# Altium PCB STM32F405.PcbDoc (part 4 of 5)
Units mm, origin at the board's own origin, x right, y up, seen from the top; angles counter-clockwise.
Board outline 430.02 x 145.03 mm, 2 copper layers (Top Layer, Bottom Layer); 243 components, 243 nets, 1346 pads, 2611 vias.
Unrouted connection lines stored in the file: 128.
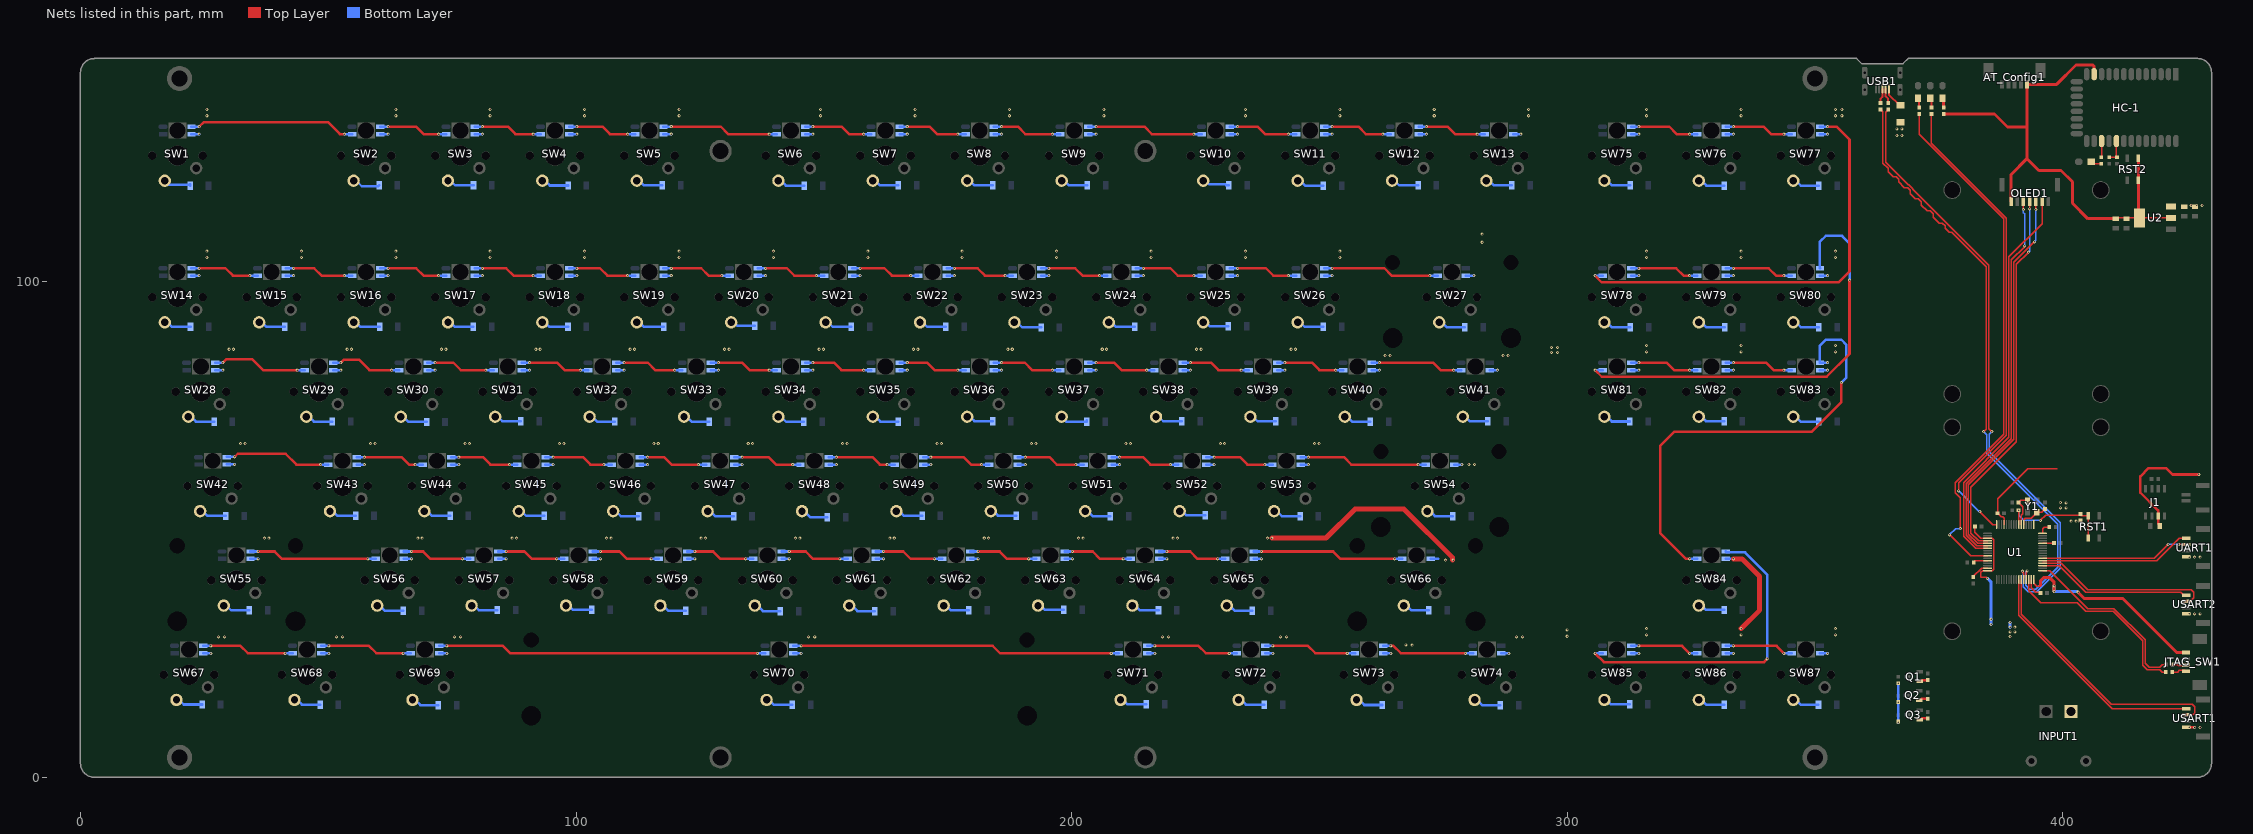
[diagram p4: the nets of this part, all layers, seen from the top]

## Via types
v1: diameter 0.61, hole 0.305, Top Layer to Bottom Layer, tented both sides, 2611 vias

## Nets (pads, with @x,y where several pads share a name; then routed paths per layer and width w, separated by ;. In a path a pad name is that pad's centre, name@x,y a point inside that pad or via, vN(x,y) a via of type N, cw(c..) or ccw(c..) an arc to the next point about the centre after c; other vN are vias at no path point) (continued)
L_VCC: C9.2 C10.2 C13.1 F1.2 INPUT1.2 J1.3 R9.1 R12.1 R19.1 SW1.3 SW2.3 SW3.3 SW4.3 SW5.3 SW6.3 SW7.3 SW8.3 SW9.3 SW10.3 SW11.3 SW12.3 SW13.3 SW14.3 SW15.3 SW16.3 SW17.3 SW18.3 SW19.3 SW20.3 SW21.3 SW22.3 SW23.3 SW24.3 SW25.3 SW26.3 SW27.3 SW28.3 SW29.3 SW30.3 SW31.3 SW32.3 SW33.3 SW34.3 SW35.3 SW36.3 SW37.3 SW38.3 SW39.3 SW40.3 SW41.3 SW42.3 SW43.3 SW44.3 SW45.3 SW46.3 SW47.3 SW48.3 SW49.3 SW50.3 SW51.3 SW52.3 SW53.3 SW54.3 SW55.3 SW56.3 SW57.3 SW58.3 SW59.3 SW60.3 SW61.3 SW62.3 SW63.3 SW64.3 SW65.3 SW66.3 SW67.3 SW68.3 SW69.3 SW70.3 SW71.3 SW72.3 SW73.3 SW74.3 SW75.3 SW76.3 SW77.3 SW78.3 SW79.3 SW80.3 SW81.3 SW82.3 SW83.3 SW84.3 SW85.3 SW86.3 SW87.3 U2.3 UART1.1 USART1.1 USART2.1 | length 232.3
  Top Layer w0.508: C13.1@419.542,50.825 419.542,50.864 419.255,51.15 J1.3@419.255,52.717 419.255,53.82 415.671,57.404 415.671,60.706 417.322,62.357 420.878,62.357 422.148,61.087 v1(427.482,61.087) ; USART1.1@424.931,10.073 v1(425.53,10.073) v1@426.633,10.073
  Top Layer w1.016: v1(240.411,48.26) 251.333,48.26 257.175,54.102 267.081,54.102 276.885,44.298 v1@276.885,43.815 ; v1(333.522,44.049) 335.3,44.049 338.836,40.513 338.836,33.718 v1(335.09,29.972)
  Bottom Layer w0.508: SW14.3@22.399,101.199 v1(23.959,101.199) ; SW1.3@22.399,129.775 v1(23.959,129.775) ; SW67.3@24.759,25.013 v1(26.319,25.013) ; SW28.3@27.162,82.149 v1(28.722,82.149) ; SW42.3@29.522,63.128 v1(31.082,63.128) ; SW55.3@34.305,44.049 v1(35.866,44.049) ; SW15.3@41.449,101.199 v1(43.009,101.199) ; SW68.3@48.571,25.013 v1(50.132,25.013) ; SW29.3@50.974,82.149 v1(52.534,82.149) ; SW43.3@55.737,63.099 v1(57.297,63.099) ; SW16.3@60.499,101.199 v1(62.059,101.199) ; SW2.3@60.499,129.775 v1(62.059,129.775) ; SW56.3@65.262,44.049 v1(66.822,44.049) ; SW30.3@70.024,82.149 v1(71.584,82.149) ; SW69.3@72.384,25.013 v1(73.944,25.013) ; SW44.3@74.787,63.099 v1(76.347,63.099) ; SW17.3@79.549,101.199 v1(81.109,101.199) ; SW3.3@79.549,129.775 v1(81.109,129.775) ; SW57.3@84.312,44.049 v1(85.872,44.049) ; SW31.3@89.074,82.149 v1(90.634,82.149) ; SW45.3@93.837,63.099 v1(95.397,63.099) ; SW18.3@98.599,101.199 v1(100.159,101.199) ; SW4.3@98.599,129.775 v1(100.159,129.775) ; SW58.3@103.362,44.049 v1(104.922,44.049) ; SW32.3@108.124,82.149 v1(109.684,82.149) ; SW46.3@112.887,63.099 v1(114.447,63.099) ; SW19.3@117.649,101.199 v1(119.209,101.199) ; SW5.3@117.649,129.775 v1(119.209,129.775) ; SW59.3@122.412,44.049 v1(123.972,44.049) ; SW33.3@127.174,82.149 v1(128.734,82.149) ; SW47.3@131.937,63.099 v1(133.497,63.099) ; SW20.3@136.699,101.199 v1(138.259,101.199) ; SW60.3@141.462,44.049 v1(143.022,44.049) ; SW70.3@143.843,24.999 v1(145.403,24.999) ; SW34.3@146.224,82.149 v1(147.784,82.149) ; SW6.3@146.224,129.775 v1(147.784,129.775) ; SW48.3@150.987,63.099 v1(152.547,63.099) ; SW21.3@155.749,101.199 v1(157.309,101.199) ; SW61.3@160.512,44.049 v1(162.072,44.049) ; SW35.3@165.274,82.149 v1(166.834,82.149) ; SW7.3@165.274,129.775 v1(166.834,129.775) ; SW49.3@170.037,63.099 v1(171.597,63.099) ; SW22.3@174.799,101.199 v1(176.359,101.199) ; SW62.3@179.562,44.049 v1(181.122,44.049) ; SW36.3@184.324,82.149 v1(185.884,82.149) ; SW8.3@184.324,129.775 v1(185.884,129.775) ; SW50.3@189.087,63.099 v1(190.647,63.099) ; SW23.3@193.849,101.199 v1(195.409,101.199) ; SW63.3@198.612,44.049 v1(200.172,44.049) ; SW37.3@203.374,82.149 v1(204.934,82.149) ; SW9.3@203.374,129.775 v1(204.934,129.775) ; SW51.3@208.137,63.099 v1(209.697,63.099) ; SW24.3@212.899,101.199 v1(214.459,101.199) ; SW71.3@215.259,25.013 v1(216.819,25.013) ; SW64.3@217.662,44.049 v1(219.222,44.049) ; SW38.3@222.424,82.149 v1(223.984,82.149) ; SW52.3@227.187,63.099 v1(228.747,63.099) ; SW25.3@231.949,101.199 v1(233.509,101.199) ; SW10.3@231.949,129.775 v1(233.509,129.775) ; SW65.3@236.712,44.049 v1(238.272,44.049) ; SW72.3@239.072,25.013 v1(240.632,25.013) ; SW39.3@241.474,82.149 v1(243.034,82.149) ; SW53.3@246.237,63.099 v1(247.797,63.099) ; SW26.3@250.999,101.199 v1(252.559,101.199) ; SW11.3@250.999,129.775 v1(252.559,129.775) ; SW40.3@260.524,82.149 v1(262.084,82.149) ; SW73.3@262.884,25.013 v1(264.444,25.013) ; SW12.3@270.049,129.775 v1(271.609,129.775) ; SW66.3@272.43,44.049 273.99,44.049 ; SW54.3@277.193,63.099 v1(278.753,63.099) ; SW27.3@279.533,101.211 279.541,101.219 v1(281.178,101.219) ; SW41.3@284.337,82.149 v1(285.897,82.149) ; SW74.3@286.697,25.013 v1(288.257,25.013) ; SW13.3@289.099,129.775 v1(290.659,129.775) ; SW85.3@312.912,24.999 v1(314.472,24.999) ; SW81.3@312.912,82.149 v1(314.472,82.149) ; SW78.3@312.912,101.199 v1(314.472,101.199) ; SW75.3@312.912,129.775 v1(314.472,129.775) ; SW86.3@331.962,24.999 v1(333.522,24.999) ; SW84.3@331.962,44.049 v1(333.522,44.049) ; SW82.3@331.962,82.149 v1(333.522,82.149) ; SW79.3@331.962,101.199 v1(333.522,101.199) ; SW76.3@331.962,129.775 v1(333.522,129.775) ; SW87.3@351.012,24.999 v1(352.572,24.999) ; SW83.3@351.012,82.149 v1(352.572,82.149) ; SW80.3@351.012,101.199 v1(352.572,101.199) ; SW77.3@351.012,129.775 v1(352.572,129.775) ; v1(366.788,11.074) v1(366.788,18.971)
  other v1: 426.633,10.033 427.736,10.033 366.788,15.161 268.732,26.67 267.433,26.683 27.813,28.321 29.083,28.321 51.625,28.321 52.895,28.321 75.438,28.321 76.708,28.321 146.897,28.307 148.167,28.307 218.313,28.321 219.583,28.321 242.126,28.321 243.396,28.321 289.751,28.321 291.021,28.321 299.974,28.448 316.04,28.702 335.09,28.702 354.14,28.702 299.974,29.718 316.04,29.972 354.14,29.972 425.53,32.949 426.633,32.949 427.736,32.949 275.463,43.815 276.987,43.815 425.53,44.421 426.633,44.421 427.736,44.421 37.116,48.26 38.005,48.26 68.072,48.26 68.961,48.26 87.122,48.26 88.011,48.26 106.172,48.26 107.061,48.26 125.222,48.26 126.111,48.26 144.272,48.26 145.161,48.26 163.322,48.26 164.211,48.26 182.372,48.26 183.261,48.26 201.422,48.26 202.311,48.26 220.472,48.26 221.361,48.26 239.522,48.26 280.162,63.119 281.305,63.119 58.547,67.31 59.436,67.31 77.597,67.31 78.486,67.31 96.647,67.31 97.536,67.31 115.697,67.31 116.586,67.31 134.747,67.31 135.636,67.31 153.797,67.31 154.686,67.31 172.847,67.31 173.736,67.31 191.897,67.31 192.786,67.31 210.947,67.31 211.836,67.31 229.997,67.31 230.886,67.31 249.047,67.31 249.936,67.31 32.332,67.338 33.221,67.338 263.271,85.09 264.287,85.09 287.084,85.09 288.1,85.09 296.799,85.725 298.069,85.725 316.04,85.852 335.09,85.852 354.14,85.852 29.972,86.36 30.861,86.36 53.785,86.36 54.673,86.36 72.834,86.36 73.724,86.36 91.885,86.36 92.773,86.36 110.934,86.36 111.823,86.36 129.984,86.36 130.873,86.36 149.034,86.36 149.923,86.36 168.084,86.36 168.973,86.36 187.134,86.36 188.023,86.36 206.184,86.36 207.073,86.36 225.234,86.36 226.123,86.36 244.284,86.36 245.173,86.36 296.799,86.741 298.069,86.741 316.04,87.122 335.09,87.122 354.14,87.122 25.527,104.902 44.577,104.902 63.627,104.902 82.677,104.902 101.727,104.902 120.777,104.902 139.827,104.902 158.877,104.902 177.927,104.902 196.977,104.902 216.027,104.902 235.077,104.902 254.127,104.902 316.04,104.902 335.09,104.902 354.14,104.902 25.527,106.172 44.577,106.172 63.627,106.172 82.677,106.172 101.727,106.172 120.777,106.172 139.827,106.172 158.877,106.172 177.927,106.172 196.977,106.172 216.027,106.172 235.077,106.172 254.127,106.172 316.04,106.172 335.09,106.172 354.14,106.172 282.829,107.95 282.829,109.601 425.922,115.403 427.025,115.403 428.128,115.403 366.522,129.54 367.538,129.54 366.522,130.81 367.538,130.81 25.527,133.477 63.627,133.477 82.677,133.477 101.727,133.477 120.777,133.477 149.352,133.477 168.402,133.477 187.452,133.477 206.502,133.477 235.077,133.477 254.127,133.477 273.177,133.477 292.227,133.477 316.04,133.477 335.09,133.477 354.14,133.477 355.41,133.477 25.527,134.747 63.627,134.747 82.677,134.747 101.727,134.747 120.777,134.747 149.352,134.747 168.402,134.747 187.452,134.747 206.502,134.747 235.077,134.747 254.127,134.747 273.177,134.747 292.227,134.747 316.04,134.747 335.09,134.747 354.14,134.747 355.41,134.747
LED1(PA2): R5.2 U1.16 | length 96.8
  Top Layer w0.254: R5.2@373.501,133.818 373.501,127.943 388.62,112.824 388.62,110.32 388.62,69.041 378.968,59.389 v1(378.968,57.785) ; v1(383.286,53.594) 385.887,50.993 U1.16@386.648,50.993
  Bottom Layer w0.254: v1(378.968,57.785) 383.159,53.594 v1(383.286,53.594)
LED2(PB0): R6.2 U1.26 | length 107.4
  Top Layer w0.254: R6.2@371.025,133.833 371.025,129.736 388.112,112.649 388.112,69.215 378.308,59.411 378.308,57.429 379.349,56.388 v1(379.349,50.165) ; v1(377.126,48.895) 377.19,48.895 381.391,44.694 U1.26@384.848,44.694
  Bottom Layer w0.254: v1(377.126,48.895) 378.396,50.165 v1(379.349,50.165)
NetC2_2: C2.2 U1.47 | length 3.9
  Top Layer w0.254: U1.47@393.648,39.894 393.648,38.279 394.589,37.338 395.351,37.338 C2.2@395.505,37.184
NetC3_2: C3.2 U1.6 Y1.1 | length 6.9
  Top Layer w0.254: U1.6@391.648,50.993 391.648,52.859 391.922,53.133 391.922,54.582 C3.2@391.09,55.414 391.556,55.88 392.823,55.88 Y1.1@392.908,55.795
NetC4_1: C4.1 U1.5 Y1.3 | length 6.1
  Top Layer w0.254: U1.5@392.148,50.993 392.153,50.998 392.153,51.957 392.463,52.267 393.643,52.267 393.954,52.578 393.966,52.578 394.904,53.516 395.796,53.516 C4.1@396.409,54.129
NetC6_2: C6.2 U1.31 | length 3.7
  Top Layer w0.254: C6.2@381.96,40.398 381.96,40.505 383.649,42.194 U1.31@384.848,42.194
NetD*1_1: D*1.1 SW1.2 | length 5.8
  Bottom Layer w0.508: SW1.2@17.009,120.365 17.867,119.507 21.952,119.507 22.127,119.681 D*1.1@22.127,119.389
NetD*2_1: D*2.1 SW2.2 | length 5.7
  Bottom Layer w0.508: SW2.2@55.109,120.365 55.648,120.365 56.76,119.253 60.043,119.253 D*2.1@60.245,119.455
NetD*3_1: D*3.1 SW3.2 | length 5.5
  Bottom Layer w0.508: SW3.2@74.159,120.365 74.698,120.365 75.624,119.439 D*3.1@79.309,119.439
NetD*4_1: D*4.1 SW4.2 | length 5.6
  Bottom Layer w0.508: SW4.2@93.209,120.365 93.748,120.365 94.71,119.403 D*4.1@98.381,119.403
NetD*5_1: D*5.1 SW5.2 | length 5.5
  Bottom Layer w0.508: SW5.2@112.259,120.365 112.798,120.365 113.73,119.432 D*5.1@117.401,119.432
NetD*6_1: D*6.1 SW6.2 | length 5.6
  Bottom Layer w0.508: SW6.2@140.834,120.365 141.373,120.365 142.352,119.386 D*6.1@146.042,119.386
NetD*7_1: D*7.1 SW7.2 | length 5.5
  Bottom Layer w0.508: SW7.2@159.884,120.365 160.423,120.365 161.369,119.419 D*7.1@165.029,119.419
NetD*8_1: D*8.1 SW8.2 | length 5.5
  Bottom Layer w0.508: SW8.2@178.934,120.365 179.473,120.365 180.409,119.429 D*8.1@184.088,119.429
NetD*9_1: D*9.1 SW9.2 | length 5.6
  Bottom Layer w0.508: SW9.2@197.984,120.365 198.523,120.365 199.462,119.426 D*9.1@203.147,119.426
NetD*10_1: D*10.1 SW10.2 | length 5.6
  Bottom Layer w0.508: SW10.2@226.559,120.365 227.098,120.365 227.838,119.625 231.013,119.625 231.195,119.442 D*10.1@231.749,119.442
NetD*11_1: D*11.1 SW11.2 | length 5.6
  Bottom Layer w0.508: SW11.2@245.609,120.365 246.148,120.365 247.117,119.396 D*11.1@250.765,119.396
NetD*12_1: D*12.1 SW12.2 | length 5.6
  Bottom Layer w0.508: SW12.2@264.659,120.365 265.198,120.365 266.121,119.442 D*12.1@269.912,119.442
NetD*13_1: D*13.1 SW13.2 | length 5.5
  Bottom Layer w0.508: SW13.2@283.709,120.365 284.248,120.365 285.197,119.416 D*13.1@288.854,119.416
NetD*14_1: D*14.1 SW14.2 | length 5.6
  Bottom Layer w0.508: SW14.2@17.009,91.789 17.548,91.789 18.461,90.877 D*14.1@22.201,90.877
NetD*15_1: D*15.1 SW15.2 | length 5.6
  Bottom Layer w0.508: SW15.2@36.059,91.789 36.598,91.789 37.531,90.857 D*15.1@41.229,90.857
NetD*16_1: D*16.1 SW16.2 | length 5.6
  Bottom Layer w0.508: SW16.2@55.109,91.789 55.648,91.789 56.548,90.89 D*16.1@60.357,90.89
NetD*17_1: D*17.1 SW17.2 | length 5.5
  Bottom Layer w0.508: SW17.2@74.159,91.789 74.698,91.789 75.604,90.883 D*17.1@79.259,90.883
NetD*18_1: D*18.1 SW18.2 | length 5.5
  Bottom Layer w0.508: SW18.2@93.209,91.789 93.748,91.789 94.667,90.87 D*18.1@98.376,90.87
NetD*19_1: D*19.1 SW19.2 | length 5.8
  Bottom Layer w0.508: SW19.2@112.259,91.789 112.798,91.789 113.721,90.867 D*19.1@117.677,90.867
NetD*20_1: D*20.1 SW20.2 | length 5
  Bottom Layer w0.508: SW20.2@131.309,91.789 131.848,91.789 132.523,91.114 D*20.1@136.046,91.114
NetD*21_1: D*21.1 SW21.2 | length 5.6
  Bottom Layer w0.508: SW21.2@150.359,91.789 150.898,91.789 151.791,90.896 D*21.1@155.567,90.896
NetD*22_1: D*22.1 SW22.2 | length 5.6
  Bottom Layer w0.508: SW22.2@169.409,91.789 169.948,91.789 170.871,90.867 D*22.1@174.605,90.867
NetD*23_1: D*23.1 SW23.2 | length 5.8
  Bottom Layer w0.508: SW23.2@188.459,91.789 188.998,91.789 190.036,90.751 D*23.1@193.827,90.751
NetD*24_1: D*24.1 SW24.2 | length 5.6
  Bottom Layer w0.508: SW24.2@207.509,91.789 208.048,91.789 208.948,90.89 D*24.1@212.728,90.89
NetD*25_1: D*25.1 SW25.2 | length 5.4
  Bottom Layer w0.508: SW25.2@226.559,91.789 227.098,91.789 227.928,90.959 D*25.1@231.648,90.959
NetD*26_1: D*26.1 SW26.2 | length 5.5
  Bottom Layer w0.508: SW26.2@245.609,91.789 246.148,91.789 247.034,90.903 D*26.1@250.764,90.903
NetD*27_1: D*27.1 SW27.2 | length 5.6
  Bottom Layer w0.508: SW27.2@274.184,91.789 274.723,91.789 275.728,90.784 D*27.1@279.333,90.784
NetD*28_1: D*28.1 SW28.2 | length 5.6
  Bottom Layer w0.508: SW28.2@21.772,72.739 22.311,72.739 23.292,71.758 D*28.1@26.954,71.758
NetD*29_1: D*29.1 SW29.2 | length 5.6
  Bottom Layer w0.508: SW29.2@45.584,72.739 46.123,72.739 47.088,71.775 D*29.1@50.788,71.775
NetD*30_1: D*30.1 SW30.2 | length 5.7
  Bottom Layer w0.508: SW30.2@64.634,72.739 65.173,72.739 66.23,71.682 D*30.1@69.847,71.682
NetD*31_1: D*31.1 SW31.2 | length 5.5
  Bottom Layer w0.508: SW31.2@83.684,72.739 84.223,72.739 85.125,71.837 D*31.1@88.834,71.837
NetD*32_1: D*32.1 SW32.2 | length 5.5
  Bottom Layer w0.508: SW32.2@102.734,72.739 103.273,72.739 104.235,71.778 D*32.1@107.835,71.778
NetD*33_1: D*33.1 SW33.2 | length 5.5
  Bottom Layer w0.508: SW33.2@121.784,72.739 122.323,72.739 123.314,71.748 D*33.1@126.856,71.748
NetD*34_1: D*34.1 SW34.2 | length 5.6
  Bottom Layer w0.508: SW34.2@140.834,72.739 141.373,72.739 142.417,71.695 D*34.1@145.968,71.695
NetD*35_1: D*35.1 SW35.2 | length 5.6
  Bottom Layer w0.508: SW35.2@159.884,72.739 160.423,72.739 161.398,71.765 D*35.1@165.062,71.765
NetD*36_1: D*36.1 SW36.2 | length 5.5
  Bottom Layer w0.508: SW36.2@178.934,72.739 179.473,72.739 180.362,71.85 D*36.1@184.057,71.85
NetD*37_1: D*37.1 SW37.2 | length 5.9
  Bottom Layer w0.508: SW37.2@197.984,72.739 198.968,71.755 202.821,71.755 203.086,72.02 D*37.1@203.086,71.728
NetD*38_1: D*38.1 SW38.2 | length 5.6
  Bottom Layer w0.508: SW38.2@217.034,72.739 217.573,72.739 218.488,71.824 D*38.1@222.256,71.824
NetD*39_1: D*39.1 SW39.2 | length 5.5
  Bottom Layer w0.508: SW39.2@236.084,72.739 236.623,72.739 237.568,71.794 D*39.1@241.231,71.794
NetD*40_1: D*40.1 SW40.2 | length 5.6
  Bottom Layer w0.508: SW40.2@255.134,72.739 255.673,72.739 256.697,71.715 D*40.1@260.28,71.715
NetD*41_1: D*41.1 SW41.2 | length 5.5
  Bottom Layer w0.508: SW41.2@278.947,72.739 279.486,72.739 280.421,71.804 D*41.1@284.015,71.804
NetD*42_1: D*42.1 SW42.2 | length 5.6
  Bottom Layer w0.508: SW42.2@24.139,53.691 24.678,53.691 25.654,52.715 D*42.1@29.315,52.715
NetD*43_1: D*43.1 SW43.2 | length 5.6
  Bottom Layer w0.508: SW43.2@50.347,53.689 50.886,53.689 51.846,52.729 D*43.1@55.52,52.729
NetD*44_1: D*44.1 SW44.2 | length 5.6
  Bottom Layer w0.508: SW44.2@69.397,53.689 69.936,53.689 70.906,52.719 D*44.1@74.579,52.719
NetD*45_1: D*45.1 SW45.2 | length 5.5
  Bottom Layer w0.508: SW45.2@88.447,53.689 88.986,53.689 89.95,52.725 D*45.1@93.592,52.725
NetD*46_1: D*46.1 SW46.2 | length 5.6
  Bottom Layer w0.508: SW46.2@107.497,53.689 108.036,53.689 109.026,52.699 D*46.1@112.681,52.699
NetD*47_1: D*47.1 SW47.2 | length 5.7
  Bottom Layer w0.508: SW47.2@126.547,53.689 127.086,53.689 128.139,52.636 D*47.1@131.799,52.636
NetD*48_1: D*48.1 SW48.2 | length 5.6
  Bottom Layer w0.508: SW48.2@145.597,53.689 146.019,53.689 147.231,52.478 D*48.1@150.71,52.478
NetD*49_1: D*49.1 SW49.2 | length 5.6
  Bottom Layer w0.508: SW49.2@164.647,53.689 165.186,53.689 166.143,52.732 D*49.1@169.823,52.732
NetD*50_1: D*50.1 SW50.2 | length 5.5
  Bottom Layer w0.508: SW50.2@183.697,53.689 184.236,53.689 185.147,52.778 D*50.1@188.823,52.778
NetD*51_1: D*51.1 SW51.2 | length 5.5
  Bottom Layer w0.508: SW51.2@202.747,53.689 203.286,53.689 204.346,52.63 D*51.1@207.828,52.63
NetD*52_1: D*52.1 SW52.2 | length 5.5
  Bottom Layer w0.508: SW52.2@221.797,53.689 222.336,53.689 223.184,52.841 D*52.1@226.983,52.841
NetD*53_1: D*53.1 SW53.2 | length 5.7
  Bottom Layer w0.508: SW53.2@240.847,53.689 241.386,53.689 242.413,52.663 D*53.1@246.105,52.663
NetD*54_1: D*54.1 SW54.2 | length 5.6
  Bottom Layer w0.508: SW54.2@271.803,53.689 272.342,53.689 273.329,52.702 D*54.1@276.949,52.702
NetD*55_1: D*55.1 SW55.2 | length 5.6
  Bottom Layer w0.508: SW55.2@28.915,34.639 29.454,34.639 30.424,33.669 D*55.1@34.07,33.669
NetD*56_1: D*56.1 SW56.2 | length 5.7
  Bottom Layer w0.508: SW56.2@59.872,34.639 60.411,34.639 61.483,33.567 D*56.1@65.112,33.567
NetD*57_1: D*57.1 SW57.2 | length 5.5
  Bottom Layer w0.508: SW57.2@78.922,34.639 79.461,34.639 80.361,33.739 D*57.1@84.097,33.739
NetD*58_1: D*58.1 SW58.2 | length 5.6
  Bottom Layer w0.508: SW58.2@97.972,34.639 98.511,34.639 99.398,33.752 D*58.1@103.191,33.752
NetD*59_1: D*59.1 SW59.2 | length 5.6
  Bottom Layer w0.508: SW59.2@117.022,34.639 117.561,34.639 118.571,33.63 D*59.1@122.174,33.63
NetD*60_1: D*60.1 SW60.2 | length 5.6
  Bottom Layer w0.508: SW60.2@136.072,34.639 136.611,34.639 137.72,33.531 D*60.1@141.223,33.531
NetD*61_1: D*61.1 SW61.2 | length 5.6
  Bottom Layer w0.508: SW61.2@155.122,34.639 155.661,34.639 156.77,33.531 D*61.1@160.292,33.531
NetD*62_1: D*62.1 SW62.2 | length 5.5
  Bottom Layer w0.508: SW62.2@174.172,34.639 174.711,34.639 175.688,33.663 D*62.1@179.289,33.663
NetD*63_1: D*63.1 SW63.2 | length 5.6
  Bottom Layer w0.508: SW63.2@193.222,34.639 193.761,34.639 194.618,33.782 D*63.1@198.429,33.782
NetD*64_1: D*64.1 SW64.2 | length 5.6
  Bottom Layer w0.508: SW64.2@212.272,34.639 212.811,34.639 213.725,33.726 D*64.1@217.534,33.726
NetD*65_1: D*65.1 SW65.2 | length 5.6
  Bottom Layer w0.508: SW65.2@231.322,34.639 231.861,34.639 232.884,33.617 D*65.1@236.483,33.617
NetD*66_1: D*66.1 SW66.2 | length 5.5
  Bottom Layer w0.508: SW66.2@267.04,34.639 267.579,34.639 268.563,33.655 D*66.1@272.085,33.655
NetD*67_1: D*67.1 SW67.2 | length 5.6
  Bottom Layer w0.508: SW67.2@19.369,15.603 19.908,15.603 20.838,14.673 D*67.1@24.549,14.673
NetD*68_1: D*68.1 SW68.2 | length 5.6
  Bottom Layer w0.508: SW68.2@43.181,15.603 43.72,15.603 44.684,14.64 D*68.1@48.348,14.64
NetD*69_1: D*69.1 SW69.2 | length 5.7
  Bottom Layer w0.508: SW69.2@66.994,15.603 67.533,15.603 68.585,14.551 D*69.1@72.226,14.551
NetD*70_1: D*70.1 SW70.2 | length 5.6
  Bottom Layer w0.508: SW70.2@138.453,15.589 138.992,15.589 139.978,14.604 D*70.1@143.663,14.604
NetD*71_1: D*71.1 SW71.2 | length 5.6
  Bottom Layer w0.508: SW71.2@209.869,15.603 210.408,15.603 211.305,14.706 D*71.1@215.076,14.706
NetD*72_1: D*72.1 SW72.2 | length 5.6
  Bottom Layer w0.508: SW72.2@233.682,15.603 234.221,15.603 235.164,14.66 D*72.1@238.867,14.66
NetD*73_1: D*73.1 SW73.2 | length 5.6
  Bottom Layer w0.508: SW73.2@257.494,15.603 258.033,15.603 259.062,14.574 D*73.1@262.644,14.574
NetD*74_1: D*74.1 SW74.2 | length 5.6
  Bottom Layer w0.508: SW74.2@281.307,15.603 281.846,15.603 282.951,14.498 D*74.1@286.498,14.498
NetD*75_1: D*75.1 SW75.2 | length 5.5
  Bottom Layer w0.508: SW75.2@307.522,120.365 308.061,120.365 308.96,119.465 D*75.1@312.683,119.465
NetD*76_1: D*76.1 SW76.2 | length 5.6
  Bottom Layer w0.508: SW76.2@326.572,120.365 327.111,120.365 328.1,119.376 D*76.1@331.735,119.376
NetD*77_1: D*77.1 SW77.2 | length 5.6
  Bottom Layer w0.508: SW77.2@345.622,120.365 346.161,120.365 347.179,119.346 D*77.1@350.785,119.346
NetD*78_1: D*78.1 SW78.2 | length 5.6
  Bottom Layer w0.508: SW78.2@307.522,91.789 308.061,91.789 309.063,90.787 D*78.1@312.752,90.787
NetD*79_1: D*79.1 SW79.2 | length 5.6
  Bottom Layer w0.508: SW79.2@326.572,91.789 327.111,91.789 328.133,90.768 D*79.1@331.765,90.768
NetD*80_1: D*80.1 SW80.2 | length 5.5
  Bottom Layer w0.508: SW80.2@345.622,91.789 346.161,91.789 347.127,90.824 D*80.1@350.747,90.824
NetD*81_1: D*81.1 SW81.2 | length 5.5
  Bottom Layer w0.508: SW81.2@307.522,72.739 308.061,72.739 309.019,71.781 D*81.1@312.63,71.781
NetD*82_1: D*82.1 SW82.2 | length 5.5
  Bottom Layer w0.508: SW82.2@326.572,72.739 327.111,72.739 328.006,71.844 D*82.1@331.666,71.844
NetD*83_1: D*83.1 SW83.2 | length 5.5
  Bottom Layer w0.508: SW83.2@345.622,72.739 346.161,72.739 347.123,71.778 D*83.1@350.766,71.778
NetD*84_1: D*84.1 SW84.2 | length 5.5
  Bottom Layer w0.508: SW84.2@326.572,34.639 327.111,34.639 328.005,33.745 D*84.1@331.663,33.745
NetD*85_1: D*85.1 SW85.2 | length 5.4
  Bottom Layer w0.508: SW85.2@307.522,15.589 307.915,15.589 308.818,14.686 D*85.1@312.594,14.686
NetD*86_1: D*86.1 SW86.2 | length 5.6
  Bottom Layer w0.508: SW86.2@326.572,15.589 327.111,15.589 328.107,14.594 D*86.1@331.719,14.594
NetD*87_1: D*87.1 SW87.2 | length 5.5
  Bottom Layer w0.508: SW87.2@345.622,15.589 346.161,15.589 347.094,14.657 D*87.1@350.712,14.657
NetF1_1: F1.1 USB1.1 | length 4.4
  Top Layer w0.381: USB1.1@364.912,138.896 364.912,137.754 367.093,135.572 F1.1@367.284,135.572
NetHC-1_24: HC-1.24 R16.2 | length 3.3
  Top Layer w0.254: R16.2@407.778,125.11 407.836,125.168 HC-1.24@407.836,128.378
NetHC-1_26: HC-1.26 R14.2 R15.2 | length 4.9
  Top Layer w0.254: R14.2@409.366,125.11 R15.2@410.953,125.11 410.836,125.227 HC-1.26@410.836,128.378
NetJTAG_SW1_1: JTAG_SW1.1 R7.2 | length 3
  Top Layer w0.254: R7.2@422.109,21.209 423.164,21.209 423.545,21.59 424.627,21.59 JTAG_SW1.1@424.831,21.385
NetJTAG_SW1_2: JTAG_SW1.2 R10.2 | length 2.9
  Top Layer w0.254: R10.2@422.109,22.733 423.164,22.733 423.418,22.479 424.675,22.479 JTAG_SW1.2@424.831,22.635
NetLED1_1: LED1.1 R4.1 | length 2
  Top Layer w0.635: LED1.1@375.738,137.033 375.914,136.857 375.914,135.181 R4.1@375.977,135.118
NetLED2_1: LED2.1 R5.1 | length 2
  Top Layer w0.381: LED2.1@373.262,137.033 373.501,136.794 R5.1@373.501,135.118